# Altium PCB P-MT3620RDB-1-7.PcbDoc (part 2 of 4) (continued)
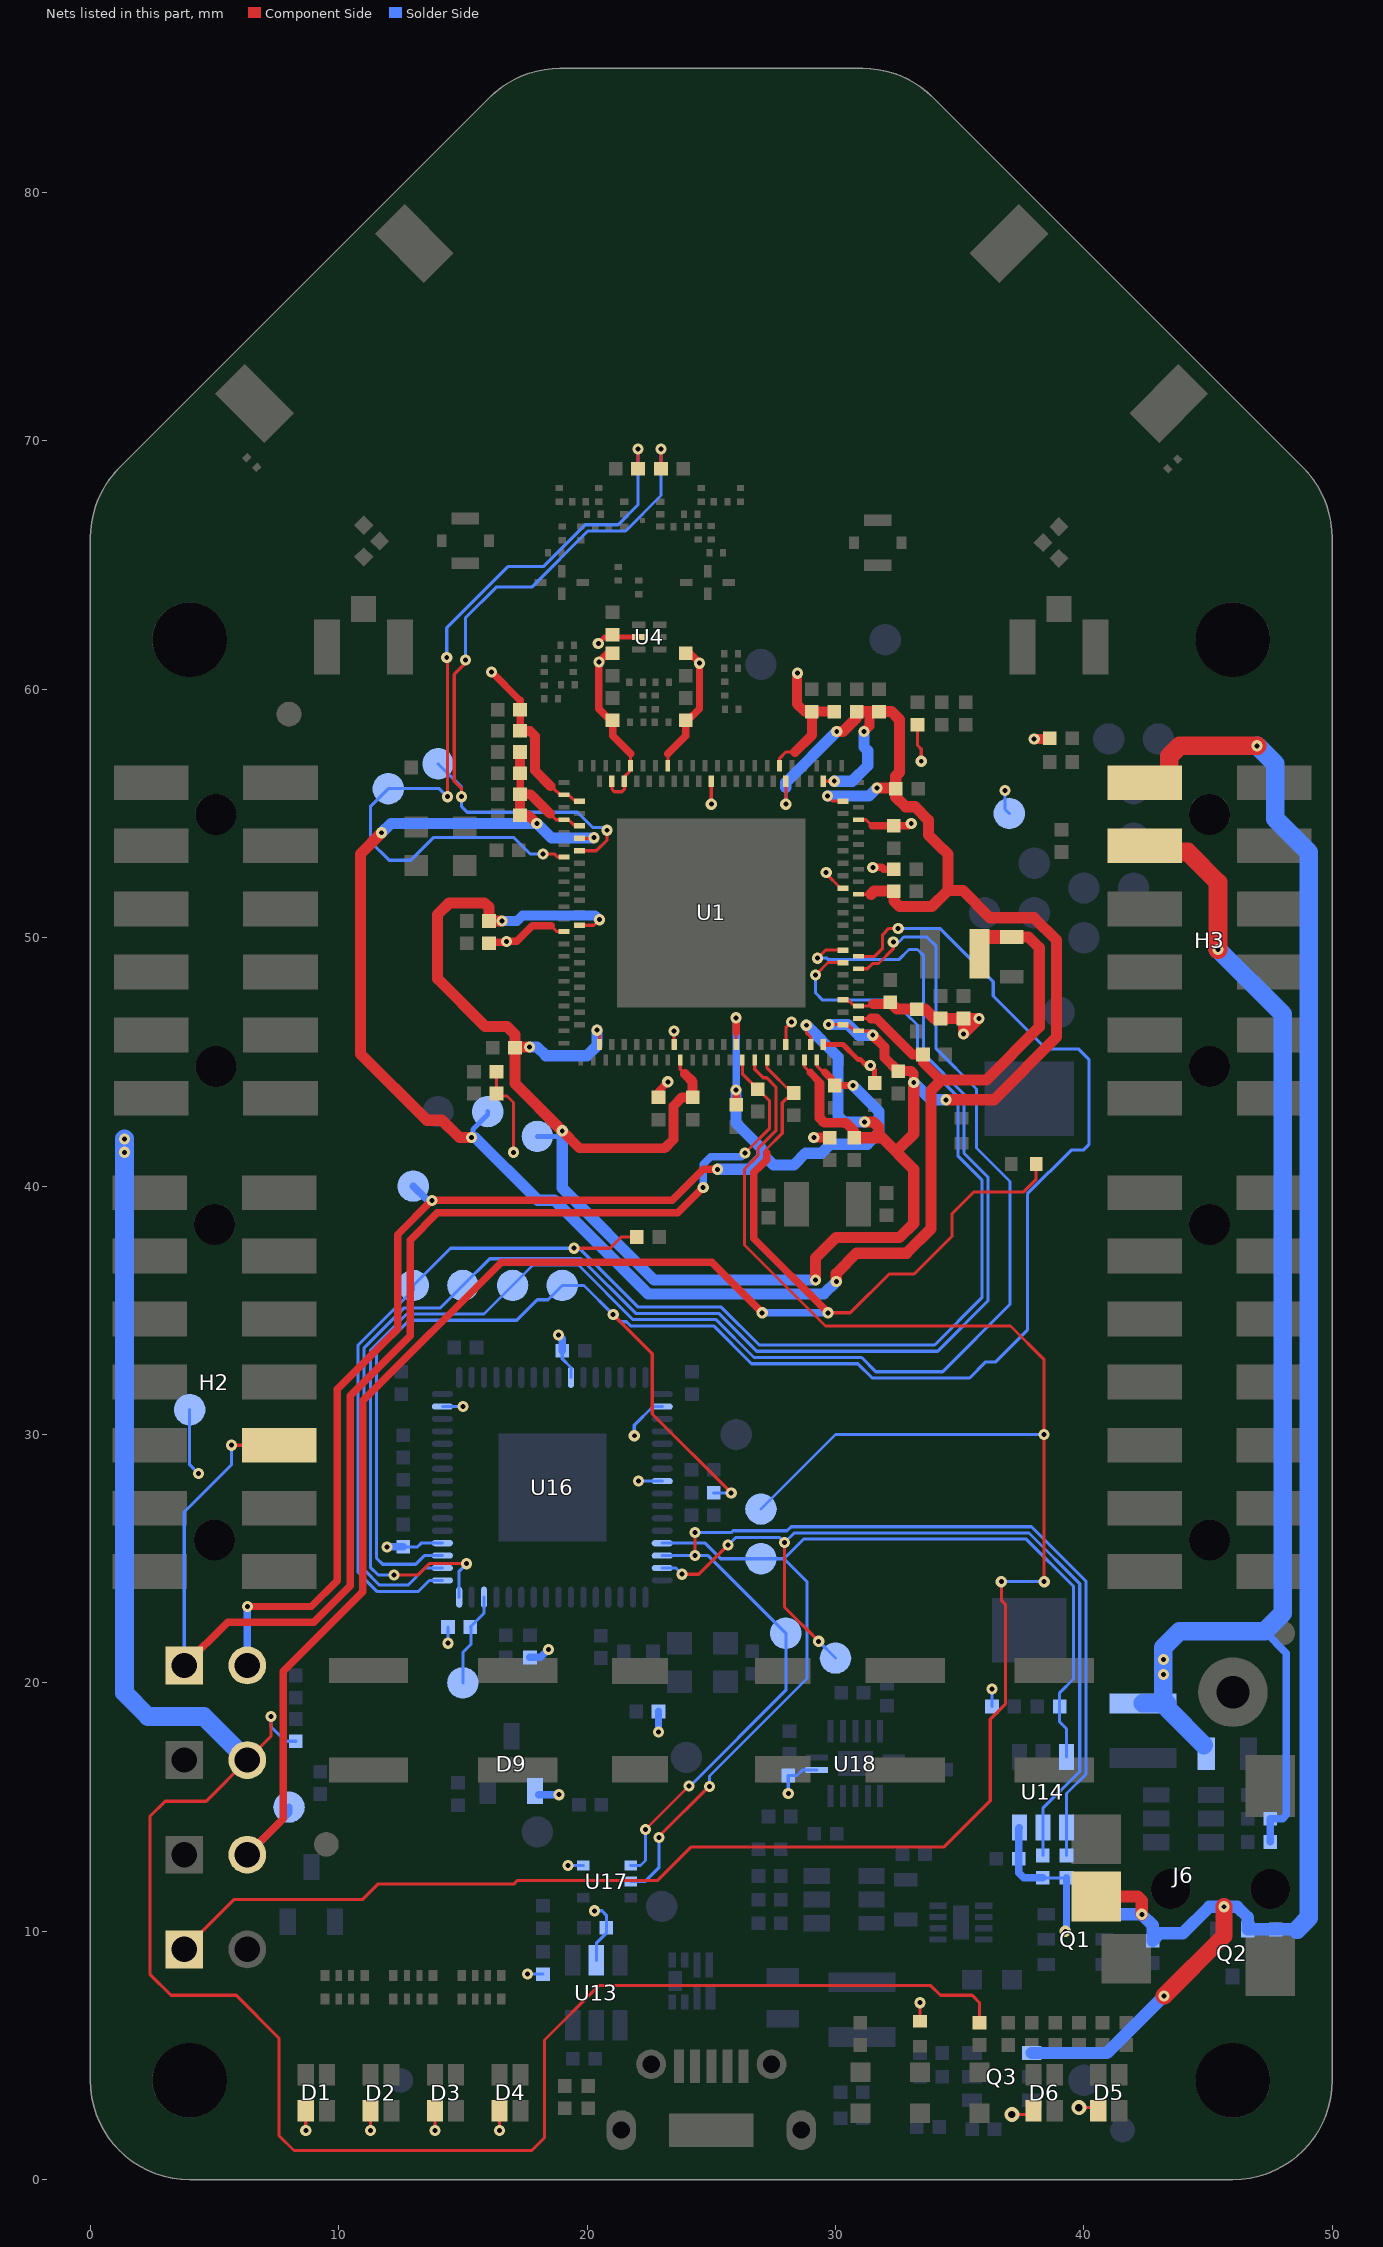
[diagram p4: the nets of this part, all layers, seen from the top]
## Part data (continued)
U9 U19: "Variable voltage buck converter", Case/Package=SOT-23-5, Manufacturer="Texas Instruments", Max Operating Temperature=125°C, Min Operating Temperature=-40°C, Supplier Part Number 1=296-47360-6-ND, Manufacturer Part Number=TLV62569DBVR, Pricing 1="1=1.32, 10=1.176, 100=0.9168, 500=0.75736, 1000=0.59792 (USD)", Stock 1=4987, Supplier 1=Digi-Key
U12: "IC FILTER COMMON MODE ESD 8WDFN", Current=100mA, DC Resistance (DCR)="8 Ohm", Inductance=-, Manufacturer="ON Semiconductor", Operating Temperature="-40°C ~ 85°C", Package / Case="8-WFDFN Exposed Pad", Standard Package=1, Supplier Part Number 1=EMI2121MTTAGOSCT-ND, Category=Filters, ComponentLink1Description=https://datasheet.ciiva.com/3067/emi2121mt-d-3067884.pdf, ComponentLink1URL=https://datasheet.ciiva.com/3067/emi2121mt-d-3067884.pdf, ComponentLink2Description=https://datasheet.ciiva.com/12394/emi2121mt-d-72518-12394918.pdf, ComponentLink2URL=https://datasheet.ciiva.com/12394/emi2121mt-d-72518-12394918.pdf, ComponentLink3Description=https://datasheet.ciiva.com/6214/emi2121mt-d-6214625.pdf, ComponentLink3URL=https://datasheet.ciiva.com/6214/emi2121mt-d-6214625.pdf, ComponentLink4Description=https://datasheet.ciiva.com/16437/emi2121mt-d-16437709.pdf, ComponentLink4URL=https://datasheet.ciiva.com/16437/emi2121mt-d-16437709.pdf, ComponentLink5Description=https://datasheet.ciiva.com/6214/emi2121mt-d-6214622.pdf, ComponentLink5URL=https://datasheet.ciiva.com/6214/emi2121mt-d-6214622.pdf, ComponentLink6Description=https://datasheet.ciiva.com/6214/emi2121mt-d-6214619.pdf, ComponentLink6URL=https://datasheet.ciiva.com/6214/emi2121mt-d-6214619.pdf, ComponentLink7Description=https://datasheet.ciiva.com/15162/getdatasheetpartid-686641-15162525.pdf, ComponentLink7URL=https://datasheet.ciiva.com/15162/getdatasheetpartid-686641-15162525.pdf, Family="Common Mode Chokes", Filter Type="Data, Signal Line", Height (Max)="0.031\" (0.80mm)", Impedance=-, Manufacturer Part Number=EMI2121MTTAG, Mounting Type="Surface Mount", Number of Lines=2, Online Catalog=EMI, Other Names=EMI2121MTTAGOSDKR, Packaging=Digi-Reel®, PCN Assembly/Origin="DFN Pkg Filters 12/Jun/2013 Addition of FAB 10 Wafer Source 04/Nov/2013 Assembly Site Addition 06/Mar/2014", Pricing 1="1=0.85, 10=0.76, 100=0.5923, 500=0.4893, 1000=0.3863 (USD)", Series=-, Size / Dimension="0.087\" L x 0.079\" W (2.20mm x 2.00mm)", Stock 1=2368, Supplier 1=Digikey
U13: "LINEAR TECHNOLOGY - LTC6993CS6-2#TRMPBF - GENERATOR, PULSE, TIMERBLOX, 6SOT-23", Digital IC Case=TSOT-23, Frequency=-, Manufacturer="LINEAR TECHNOLOGY", Operating Mode=Monostable, Operating Temperature Max=70, Operating Temperature Min=0, Operating Temperature Range="0°C to +70", Resonator Case=SMD, Supplier Part Number 1=1848054, Supply Voltage Max=5.5, Supply Voltage Min=2.25, Supply Voltage Range="2.25V to 5.5V<!--FANDB--><div class=\"features-and-benefits-container\"><div class=\"features-and-benefits-description\"><span class=\"features-benefits-value\">The LTC6993CS6-2#TRMPBF is a Monostable Pulse Generator (one shot) with a programmable pulse width of 1?s to 33.6 seconds. The LTC6993 is part of the TimerBlox&reg", Clock External Input=No, ComponentLink1Description=http://www.farnell.com/datasheets/1441932.pdf, ComponentLink1URL=http://www.farnell.com/datasheets/1441932.pdf, ComponentLink2Description=http://www.farnell.com/simulation/1753930.zip, ComponentLink2URL=http://www.farnell.com/simulation/1753930.zip, ComponentLink3Description=http://www.farnell.com/datasheets/1999324.pdf, ComponentLink3URL=http://www.farnell.com/datasheets/1999324.pdf, ComponentLink4Description=http://www.farnell.com/cad/1542631.zip, ComponentLink4URL=http://www.farnell.com/cad/1542631.zip, Manufacturer Part Number=LTC6993CS6-2#TRMPBF, MSL="MSL 1 - Unlimited", No. of Pins=6, No. of Timers=1, Packaging="Cut Tape", Pricing 1="1=2.64, 25=2.02, 100=1.18 (GBP)", Product Range=-, RoHS=YES, Stock 1=1214, Supplier 1=Farnell, SVHC="No SVHC (17-Dec-2015)"
U14: "IC EEPROM 2KBIT 2MHZ SOT23-6", Manufacturer="Microchip Technology", Operating Temperature="-40°C ~ 85°C (TA)", Package / Case=SOT-23-6, Supplier Part Number 1=93LC56BT-I/OTCT-ND, Voltage - Supply="2.5 V ~ 5.5 V", Category="Integrated Circuits (ICs)", ComponentLink1Description=http://www.microchip.com/mymicrochip/filehandler.aspx?ddocname=en013939, ComponentLink1URL=http://www.microchip.com/mymicrochip/filehandler.aspx?ddocname=en013939, Format - Memory="EEPROMs - Serial", Interface="Microwire, 3-Wire Serial", Manufacturer Part Number=93LC56BT-I/OT, Memory Size="2K (128 x 16)", Memory Type=EEPROM, Packaging="Cut Tape (CT)", Part Status=Active, Pricing 1="1=0.17, 25=0.164, 100=0.1612 (GBP)", RoHS="RoHS Compliant", Speed=2MHz, Stock 1=13464, Supplier 1=Digi-Key, Supplier Device Package=SOT-23-6
U16: "IC USB HS QUAD UART/SYNC 64-QFN", Current - Supply=70mA, Manufacturer="FTDI, Future Technology Devices International Ltd", Manufacturer Part Number=FT4232HQ-REEL, Operating Temperature="-40°C ~ 85°C", Package / Case="64-VFQFN Exposed Pad", Supplier Device Package="64-QFN (9x9)", Supplier Part Number 1=768-1027-1-ND, Voltage - Supply="3 V ~ 3.6 V", Category="Integrated Circuits (ICs)", ComponentLink1Description=http://www.ftdichip.com/Support/Documents/DataSheets/ICs/DS_FT4232H.pdf, ComponentLink1URL=http://www.ftdichip.com/Support/Documents/DataSheets/ICs/DS_FT4232H.pdf, Function="Bridge, USB to UART", Interface=UART, Packaging="Cut Tape (CT)", Pricing 1="1=5.99, 10=5.785, 50=5.5452, 100=4.6827, 250=4.1692, 500=3.79954 (GBP)", Protocol=USB, RoHS="RoHS Compliant", Standards="USB 2.0", Stock 1=18296, Supplier 1=Digi-Key
U17: "IC GATE AND 1CH 2-INP SC-70-5", Current - Output High, Low="32mA, 32mA", Current - Quiescent (Max)=2µA, Manufacturer="Fairchild Semiconductor", Operating Temperature="-40°C ~ 85°C", Package / Case="5-TSSOP, SC-70-5, SOT-353", Supplier Device Package=SC-70-5, Supplier Part Number 1=NC7SZ08P5XCT-ND, Voltage - Supply="1.65 V ~ 5.5 V", Category="Integrated Circuits (ICs)", ComponentLink1Description=http://www.fairchildsemi.com/datasheets/NC/NC7SZ08.pdf, ComponentLink1URL=http://www.fairchildsemi.com/datasheets/NC/NC7SZ08.pdf, Features=-, Logic Level - High=-, Logic Level - Low=-, Logic Type="AND Gate", Manufacturer Part Number=NC7SZ08P5X, Max Propagation Delay @ V, Max CL="4.5ns @ 5V, 50pF", Mounting Type="Surface Mount", Number of Circuits=1, Number of Inputs=2, Packaging="Cut Tape (CT)", Part Status=Active, Pricing 1="1=0.26, 10=0.216, 100=0.1144, 500=0.07526, 1000=0.05127 (GBP)", RoHS="RoHS Compliant", Stock 1=29087, Supplier 1=Digi-Key
U18: "IC BUFFER QUAD LV N-INV 14DQFN", High Level Output Current=-24mA, Low Level Output Current=24mA, Manufacturer="Fairchild Semiconductor", Max Operating Temperature=85°C, Max Supply Voltage=3.6V, Min Operating Temperature=-40°C, Min Supply Voltage=2V, Package Quantity=3000, Quiescent Current=10uA, Supplier Part Number 1=74LCX126BQXDKR-ND, ComponentLink1Description=https://datasheet.ciiva.com/26861/74lcx126bqx-26861526.pdf, ComponentLink1URL=https://datasheet.ciiva.com/26861/74lcx126bqx-26861526.pdf, ComponentLink2Description=https://datasheet.ciiva.com/1837/74lcx126-1837158.pdf, ComponentLink2URL=https://datasheet.ciiva.com/1837/74lcx126-1837158.pdf, ComponentLink3Description=https://datasheet.ciiva.com/28425/74lcx126-28425643.pdf, ComponentLink3URL=https://datasheet.ciiva.com/28425/74lcx126-28425643.pdf, ComponentLink4Description=https://datasheet.ciiva.com/1837/74lcx126-1837156.pdf, ComponentLink4URL=https://datasheet.ciiva.com/1837/74lcx126-1837156.pdf, ComponentLink5Description=https://datasheet.ciiva.com/1837/74lcx126-1837157.pdf, ComponentLink5URL=https://datasheet.ciiva.com/1837/74lcx126-1837157.pdf, ComponentLink6Description=https://datasheet.ciiva.com/8306/74lcx126-8306053.pdf, ComponentLink6URL=https://datasheet.ciiva.com/8306/74lcx126-8306053.pdf, Contact Plating=Gold, Lead Free="Lead Free", Logic Function=Buffer,Inverting, Manufacturer Part Number=74LCX126BQX, Mount="Surface Mount", Number of Bits=4, Number of Bits per Element=1, Number of Channels=4, Number of elements=4, Number of Input Lines=4, Number of Inputs=4, Number of Output Lines=4, Number of Outputs=4, Number of Pins=14, Packaging="Tape and Reel", Polarity=Non-Inverting, Pricing 1="1=0.85, 10=0.744, 100=0.5702, 500=0.4507, 1000=0.3606 (USD)", Propagation Delay=7.8ns, Radiation Hardening=No, Stock 1=15117, Supplier 1=Digi-Key, Turn-On Delay Time=7.8ns, Weight=0.12g
X1: library part XTL581100-M118-0804, "26MHz crystal", Manufacturer=Siward, Do Not Substitute=true, Manufacturer Part Number=XTL581100-M118-0804, Supplier 1=Siward, Supplier Part Number 1=XTL581100-M118-0804
X2: library part 9HT10-32.768KDZF-T, "32.768kHz ±20ppm Crystal 12.5pF 70 kOhm -40°C ~ 85°C  Surface Mount 2-SMD", ESR (Equivalent Series Resistance)="70 kOhm", Frequency Tolerance=±20ppm, Load Capacitance=12.5pF, Manufacturer=TXC, Operating Mode=Fundamental, Operating Temperature="-40°C ~ 85°C", Package / Case=2-SMD, Standard Package=1, Supplier Part Number 1=887-1504-1-ND, Category="Crystals and Oscillators", ComponentLink1Description=https://datasheet.ciiva.com/26833/getdatasheetpartid-743086-26833338.pdf, ComponentLink1URL=https://datasheet.ciiva.com/26833/getdatasheetpartid-743086-26833338.pdf, ComponentLink2Description=https://datasheet.ciiva.com/856/9ht10-856048.pdf, ComponentLink2URL=https://datasheet.ciiva.com/856/9ht10-856048.pdf, ComponentLink3Description=https://datasheet.ciiva.com/856/9ht10-856047.pdf, ComponentLink3URL=https://datasheet.ciiva.com/856/9ht10-856047.pdf, ComponentLink4Description=https://datasheet.ciiva.com/856/9ht10-856046.pdf, ComponentLink4URL=https://datasheet.ciiva.com/856/9ht10-856046.pdf, Dynamic Catalog="9HT10 Series", Family=Crystals, Featured Product="9HT Series Quartz Crystals", Frequency=32.768kHz, Height="0.033\" (0.85mm)", Manufacturer Part Number=9HT10-32.768KDZF-T, Mounting Type="Surface Mount", Other Names=887-1504-1, Packaging="Cut Tape (CT)", Pricing 1="1=0.66, 10=0.55, 50=0.495, 100=0.44, 500=0.418, 1000=0.352 (USD)", Series=9HT10, Size / Dimension="0.126\" L x 0.059\" W (3.20mm x 1.50mm)", Stock 1=19910, Supplier 1=Digikey, Type="kHz Crystal (Tuning Fork)"
X3: library part "CRYSTAL 12MHz 18pF SMD", "CRYSTAL 12.000 MHZ 18PF SMD", Frequency Stability=±30ppm, Load Capacitance=18pF, Manufacturer="TXC CORPORATION", Manufacturer Part Number=8Z-12.000MAAJ-T, Operating Mode=Fundamental, Operating Temperature="-20°C ~ 70°C", Package / Case="4-SMD, No Lead (DFN, LCC)", Shunt capacitance="3.0pF max.", Supplier Part Number 1=887-1487-1-ND, Category="Crystals and Oscillators", ComponentLink1Description=http://www.txccrystal.com/images/pdf/8z.pdf, ComponentLink1URL=http://www.txccrystal.com/images/pdf/8z.pdf, ESR="100R max", Frequency=12MHz, Frequency Tolerance=±30ppm, Height="0.022\" (0.55mm)", Mounting Type="Surface Mount", Packaging="Cut Tape (CT)", Pricing 1="1=1.55, 10=1.347, 50=1.1812, 100=0.9326, 500=0.78752, 1000=0.62172 (GBP)", RoHS="RoHS Compliant", Size / Dimension="0.098\" L x 0.079\" W (2.50mm x 2.00mm)", Stock 1=5365, Supplier 1=Digi-Key, Type="MHz Crystal"

## Free pads (board coordinates)
  round 3 hole 3 unplated: 0(4,4) 0(4,62) 0(46,4) 0(46,62)
  round 1 smd paste-1 mask+0.5: 1(8,59) 1(9.5,13.5) 1(48,22)
  round 1 smd far side paste-1 mask+0.5: 1(8,59) 1(12.5,4) 1(41.557,2)

## Via types
v1: diameter 0.45, hole 0.2, Component Side to Solder Side, tented both sides, 816 vias
v2: diameter 0.6, hole 0.3, Component Side to Solder Side, tented both sides, 2 vias

## Nets (pads, with @x,y where several pads share a name; then routed paths per layer and width w, separated by ;. In a path a pad name is that pad's centre, name@x,y a point inside that pad or via, vN(x,y) a via of type N, cw(c..) or ccw(c..) an arc to the next point about the centre after c; other vN are vias at no path point)
1V6: 17.1 C38.2 C39.2 C74.2 C75.2 C76.2 C77.2 L10.2 U1.6 U1.7 U1.9 U1.86 | length 74.8
  Component Side w0.125: 18.5,55 18.75,54.75 U1.6@19.075,54.75 ; U1.6@19.25,54.75 U1.7@19.5,54.5 ; U1.9@19.7,54 v1@20.275,54 ; U1.86@30.925,46.75 31.425,46.75
  Component Side w0.3: C77.2@17.3,55.925 C74.2@17.3,56.6
  Component Side w0.4: C76.2@17.3,54.925 17.65,54.925 v1(17.975,54.6) ; C76.2@17.3,55.025 C77.2@17.3,55.775 ; C77.2@17.3,55.925 C77.2@17.3,55.775 ; C74.2@17.3,56.6 C74.2@17.3,56.625 C75.2@17.3,57.3 ; 18.5,55 17.725,55.775 C77.2@17.3,55.775 ; 31.425,46.75 31.65,46.75 ; 31.65,46.75 33.1,45.3 C39.2@33.525,45.3 33.525,44.975 34.15,44.35
  Component Side w0.45: v1(11.725,54.225) 10.875,53.375 10.875,45.325 13.55,42.65 14.163,42.65 14.861,41.952 v1(15.351,41.952) ; v1(30.032,36.157) 30.032,36.482 30.85,37.3 32.867,37.3 33.85,38.283 33.85,43.85 34.275,44.275 36.075,44.275 38.2,46.4 38.2,49.6 37.775,50.025 C38.2@37.1,50.025
  Component Side w0.55: L10.2@36.075,50.025 C38.2@37.1,50.025
  Solder Side w0.2: v1(15.351,41.952) 15.359,41.961 15.399,42 15.399,42.279 16,42.881 17.1@16,43
  Solder Side w0.45: v1(11.725,54.225) 12.1,54.6 v1(17.975,54.6) 18.562,54.013 v1@20.188,54.013 ; v1@15.351,41.961 15.359,41.961 15.486,41.961 18.017,39.43 18.682,39.43 22.462,35.65 29.525,35.65 v1(30.032,36.157)
  other v1: 20.275,54.025
1V15: 16.1 C55.2 C62.2 C63.2 C64.2 C65.2 C67.2 C68.2 C69.2 C70.2 U1.23 U1.44 U1.57 U1.77 U1.78 U1.84 U1.85 U1.106 U1.121 U1.126 U1.132 | length 124.6
  Component Side w0.125: U1.23@19.7,50.5 20.275,50.5 v1(20.5,50.725) ; v1(20.4,46.275) 20.5,46.175 U1.44@20.5,45.7 U1.44@20.5,45.8 ; U1.57@23.75,45.075 23.75,44.7 23.938,44.513 ; v1(28,55.375) U1.132@28,56.3 ; U1.77@28.75,45.075 28.75,44.8 28.975,44.575 ; v1(28.825,46.475) 28.825,46.175 29,46 U1.78@29,45.7 ; U1.126@29.5,56.3 v1(29.95,56.3) ; v1(29.675,55.7) 29.875,55.5 U1.121@30.3,55.5 ; v1@29.9,46.5 30.5,46.5 30.75,46.25 31.325,46.25 v1(31.5,46.075) ; U1.106@30.925,51.75 31.425,51.75
  Component Side w0.3: 28.975,44.575 29.35,44.2 29.35,44.125 ; v1(31.5,46.075) v1@31.575,46.075
  Component Side w0.4: v1(19,42.225) 19.7,41.525 23.125,41.525 23.475,41.875 23.475,43.225 23.825,43.575 C64.2@24.25,43.575 24.25,44.2 23.938,44.512 ; 29.35,44.125 29.35,42.75 29.55,42.55 30.425,42.55 30.75,42.225 C65.2@30.75,41.95 ; v1(31.15,58.3) 31.375,58.525 31.375,58.925 ; v1(31.5,46.075) 31.975,45.6 31.975,45.175 C55.2@32.525,44.625 33.05,44.625 33.15,44.525 v1(33.15,44.175)
  Component Side w0.45: v1(16.575,50.675) C62.2@16.05,50.675 16.05,51.225 15.875,51.4 14.45,51.4 13.975,50.925 13.975,48.35 15.9,46.425 16.775,46.425 17.1,46.1 C63.2@17.1,45.6 ; C63.2@17.075,45.6 C63.2@17.1,45.6 ; v1(17.675,45.6) C63.2@17.1,45.6 ; v1(19,42.225) 17.1,44.125 C63.2@17.1,45.575 C63.2@17.1,45.6 ; v1(29.2,36.225) 29.2,37.1 30.025,37.925 32.575,37.925 33.15,38.5 33.15,40.675 31.875,41.95 31.725,41.95 ; v1(30.05,58.3) 30.3,58.3 30.85,58.85 C70.2@30.85,59.1 C69.2@31.75,59.1 32.25,59.1 32.575,58.775 32.575,56.65 32.425,56.5 C68.2@32.425,56 32.425,55.667 32.817,55.275 33.2,55.275 33.75,54.725 33.75,54.137 34.337,53.55 34.35,53.55 34.525,53.375 34.525,51.9 ; C65.2@30.75,41.95 31.725,41.95 ; v1(31.175,42.575) 31.525,42.575 31.725,42.375 31.725,41.95 ; 31.425,51.75 31.55,51.875 C67.2@32.35,51.875 32.35,51.475 32.575,51.25 33.875,51.25 34.525,51.9 ; v1(31.675,56.025) C68.2@32.2,56.025 ; 32.5,41.45 33.15,42.1 v1(33.15,44.175) ; v1(34.45,43.475) 36.375,43.475 38.9,46 38.9,49.9 38,50.8 36.225,50.8 35.125,51.9 34.525,51.9
  Solder Side w0.125: v1(28,55.375) 28,56.05
  Solder Side w0.2: 16.1@18,42 18.95,42
  Solder Side w0.4: v1(16.575,50.675) 17.175,50.675 17.4,50.9 20.325,50.9 v1(20.5,50.725)
  Solder Side w0.45: v1(17.675,45.6) 17.987,45.6 18.337,45.25 20,45.25 20.4,45.65 v1(20.4,46.275) ; 18.95,42 v1@19,42.05 ; v1(19,42.225) v1@19,42.05 ; 28,56.05 28,56.25 v1(30.05,58.3) ; v1(28.825,46.475) 30.1,45.2 30.1,42.825 30.35,42.575 v1@31.15,42.575 ; v1@29.2,36.225 22.7,36.225 19,39.925 v1@19,42.05 ; v1(29.675,55.7) 31.35,55.7 v1(31.675,56.025) ; v1(29.725,46.5) 30.5,46.5 30.925,46.075 v1(31.5,46.075) ; v1(29.95,56.3) 30.675,56.3 31.3,56.925 31.3,57.525 31.15,57.675 v1(31.15,58.3) ; v1(33.15,44.175) 33.85,43.475 v1(34.45,43.475)
2V5: 18.1 C40.2 C84.2 J1.2 U1.66 U1.79 | length 55.9
  Component Side w0.125: U1.66@26,45.7 26,46.2 ; U1.79@29.25,45.075 29.25,44.85 29.512,44.588 29.563,44.588
  Component Side w0.3: v1(6.325,23.075) 8.9,23.075 9.94,24.115 9.94,31.825 12.375,34.26 12.375,38.05 v1(13.75,39.425) 23.425,39.425 24.675,40.675 v1(25.25,40.675) ; C84.2@26,43.275 v1(26,43.875) ; 26,46.2 v1(26,46.775) ; 29.563,44.588 30.1,44.051 C40.2@30.1,44.125 ; C40.2@29.975,44.05 30.1,44.05 v1(30.7,44.05)
  Solder Side w0.125: J1.2@6.321,20.704 J1.2@6.325,20.709
  Solder Side w0.3: J1.2@6.325,20.709 v1(6.325,23.075) ; 18.1@13,40 13.575,39.425 v1(13.75,39.425) ; v1(26,43.875) v1(26,46.775)
  Solder Side w0.45: v1(25.25,40.675) 26.525,40.675 27.025,41.175 ; v1(26,43.875) 26,42.541 27.025,41.516 27.025,41.175 ; v1(30.7,44.05) 31.75,43 31.75,42.15 31.288,41.688 29.8,41.688 29.438,41.325 28.8,41.325 28.325,40.85 27.512,40.85 27.187,41.175 27.025,41.175
3V3_AO: 41.1 C4.2 C28.2 C33.2 C45.2 C46.2 C48.2 C86.2 D1.4 D2.4 D3.4 D4.4 D5.4 D6.4 D9.1 H3.3 L3.2 L11.2 L12.2 R12.1 R27.1 R28.1 R29.1 R31.1 R33.1 R53.1 R54.1 R64.1 U13.5 U14.6 U16.20 U16.31 U16.42 U16.50 U16.56 U17.5 U18.14 | length 89.7
  Component Side w0.125: v1(8.675,1.975) D1.4@8.675,2.775 ; v1(11.275,1.975) D2.4@11.275,2.775 ; v1(13.875,1.975) D3.4@13.875,2.775 ; R54.1@16.35,44.575 R53.1@16.35,43.725 16.35,43.625 16.775,43.625 17.036,43.364 v1(17.036,41.361) ; v1(16.475,1.975) D4.4@16.475,2.775 ; R64.1@33.4,6.375 v1(33.4,7.125) ; v2(37.1,2.625) 37.825,2.625 D6.4@37.975,2.775 ; v2(39.8,2.9) 40.45,2.9 D5.4@40.575,2.775
  Component Side w0.6: H3.3@42.457,53.699 H3.3@42.857,53.299
  Component Side w0.75: H3.3@43.252,53.45 44.175,53.45 45.4,52.225 v1(45.4,49.525)
  Solder Side w0.125: 41.1@4,31 4,28.78 v1(4.35,28.43) ; C45.2@12.6,25.475 13.175,25.475 13.325,25.625 U16.20@14.175,25.625 ; U16.31@14.175,31.125 v1(15,31.125) ; v1(14.4,21.6) R31.1@14.4,22.25 ; v1(17.6,8.275) R12.1@18.225,8.275 ; C46.2@19,33.375 19,33.05 19.35,32.7 U16.42@19.35,32.3 ; v1(19.225,12.65) U17.5@19.85,12.65 ; v1@20.301,10.676 v1(20.301,10.826) 20.599,10.826 20.775,10.65 C48.2@20.775,10.15 20.775,9.925 20.375,9.525 U13.5@20.375,8.835 ; v1(21.9,29.95) 21.9,30.375 22.65,31.125 U16.50@23.025,31.125 ; v1(22.075,28.125) U16.56@23.025,28.125 ; v1(28.1,15.55) C86.2@28.1,16.275 28.45,16.275 28.675,16.5 U18.14@29.25,16.5 ; R27.1@36.3,19.05 v1(36.3,19.75) ; R28.1@38.35,12.15 R29.1@39.3,12.15
  Solder Side w0.3: v1(11.95,25.475) C45.2@12.6,25.475 ; L12.2@17.7,21.025 18.125,21.025 v1(18.45,21.35) ; D9.1@18.05,15.5 v1(18.875,15.5) ; v1(18.85,34) 19,33.85 C46.2@19,33.375 ; v1(22.875,18.025) L11.2@22.875,18.85 ; U14.6@37.4,14.175 37.375,14.15 C33.2@37.375,12.925 37.375,12.35 37.575,12.15 R28.1@38.35,12.15 ; v1(39.25,10) 39.3,10.05 R29.1@39.3,12.15 ; 47.275,22.075 48.15,21.2 48.15,14.687 48,14.537 R33.1@47.5,14.537 C4.2@47.5,13.596
  Solder Side w0.5: L3.2@43.325,19.175 43.475,19.025 L3.2@43.475,18.9
  Solder Side w0.75: L3.2@42.375,19.175 43.325,19.175 43.35,19.15 43.35,18.975 C28.2@44.825,17.5 ; L3.2@43.2,19.575 43.2,21.425 43.85,22.075 47.275,22.075 48,22.8 48,46.925 v1(45.4,49.525)
  other v1: 43.2,20.336 43.2,20.944
3V3_MT: 19.1 C14.2 C49.2 C50.2 C52.2 C53.2 C56.2 C57.2 C58.2 C59.2 C60.2 C61.2 C71.2 C78.2 C79.2 C80.2 C81.2 C82.2 C83.2 C90.2 J2.2 R6.1 R8.1 R20.1 R22.1 U1.2 U1.3 U1.24 U1.56 U1.74 U1.80 U1.88 U1.89 U1.107 U1.118 U1.133 U1.144 U1.151 U1.157 U1.158 U1.160 U4.2 | length 139.7
  Component Side w0.125: v1(7.275,18.65) 7.275,17.849 J2.2@6.321,16.894 4.664,15.237 3.012,15.237 2.4,14.625 2.4,8.275 3.25,7.425 5.875,7.425 7.6,5.7 7.6,1.775 8.2,1.175 17.775,1.175 18.287,1.687 18.287,5.624 20.475,7.813 33.838,7.813 34.225,7.425 35.5,7.425 35.8,7.125 R6.1@35.8,6.325 ; 18.55,50.475 18.775,50.25 U1.24@19.075,50.25 ; 18.662,56.003 18.915,55.75 U1.2@19.075,55.75 19.25,55.75 19.5,55.5 U1.3@19.7,55.5 ; U1.160@21,56.3 21,55.975 21.1,55.875 21.4,55.875 21.5,55.975 21.5,56.475 U1.157@21.75,56.725 ; U1.157@21.75,56.925 21.75,57.4 ; U1.151@23.25,56.925 23.25,57.4 ; U1.56@23.5,45.7 v1(23.5,46.25) ; v1(25,55.375) U1.144@25,56.3 ; U1.133@27.75,56.925 27.75,57.225 28,57.475 28.375,57.475 ; U1.74@28,45.7 28,46.375 v1(28.225,46.6) ; v1(29.625,52.625) 29.625,52.575 30.2,52 U1.107@30.3,52 ; U1.89@30.3,47.5 30.5,47.5 30.75,47.25 31.425,47.25 31.512,47.337 ; U1.118@30.925,54.75 31.225,54.75 31.475,54.5 ; R20.1@33.3,58.575 33.3,57.742 33.452,57.59 v1(33.452,57.103)
  Component Side w0.2: v1(20.45,61.85) 20.7,62.1 U4.2@22.075,62.1 ; U1.80@29.5,45.7 30.3,45.7 30.9,45.1 31,45.1 31.25,44.85 v1(31.4,44.85) 31.575,44.675 C53.2@31.575,44.234
  Component Side w0.3: C58.2@16.05,49.825 16.725,49.825 v1(16.75,49.85) 17.164,49.85 17.789,50.475 18.55,50.475 ; v1(16.15,60.7) 17.3,59.55 C82.2@17.3,59.175 ; C83.2@17.3,58.325 17.3,58.675 ; 17.3,58.7 C82.2@17.3,59.125 ; C78.2@20.936,58.75 20.475,59.211 v1(20.475,61.1) 20.85,61.475 C79.2@21,61.475 ; C78.2@21.025,58.75 21.025,58.125 21.75,57.4 ; C59.2@22.875,43.575 22.875,43.825 v1(23.25,44.2) ; 23.25,57.4 23.975,58.125 C80.2@23.975,58.75 ; C80.2@24.053,58.75 24.525,59.222 24.525,60.939 v1@24.507,60.957 ; C81.2@24.138,61.462 v1@24.5,61.1 ; 31.475,54.5 C61.2@32.35,54.5 32.95,54.5 v1(33.05,54.6) ; v1(31.502,52.828) 31.872,52.828 31.95,52.75 C60.2@32.35,52.75
  Component Side w0.356: C80.2@23.975,58.75 C80.2@24.053,58.75
  Component Side w0.4: C83.2@17.3,58.325 17.7,58.325 17.9,58.125 17.9,56.725 18.525,56.1 ; 28.375,57.475 29.05,58.15 C57.2@29.05,59.1 ; v1@28.45,60.647 28.45,59.4 28.75,59.1 C57.2@29.05,59.1 ; v1(29.126,41.952) 29.773,41.952 C71.2@29.775,41.95 ; C56.2@29.9,59.1 C57.2@29.05,59.1 ; 31.512,47.337 C90.2@32.175,47.337 ; v1(38,58) 38.6,58 R22.1@38.625,58.025
  Component Side w0.45: C90.2@32.2,47.4 32.475,47.125 C52.2@33.275,47.125 33.6,47.125 33.975,46.75 C50.2@34.225,46.75 C49.2@35.15,46.75 ; C49.2@35.15,46.75 v1(35.15,46.125) v1(35.775,46.75) C49.2@35.15,46.75
  Solder Side w0.125: v1(7.275,18.65) 7.275,18.233 7.858,17.65 R8.1@8.275,17.65 ; v1(36.825,55.925) 36.825,55.175 19.1@37,55
  Solder Side w0.75: v1(1.375,41.9) 1.375,19.6 2.325,18.65 4.565,18.65 J2.2@6.321,16.894
  other v1: 1.379,41.36 28.475,60.647 24.525,61.05
3V3_RTC: 24.1 C72.2 J3.2 R43.2 U1.71 | length 68.9
  Component Side w0.125: 27.225,41.35 27.225,41.494 27.856,42.125 27.856,43.356 28.25,43.75 27.25,44.75 U1.71@27.25,45.075 ; v1(29.701,34.9) 30.598,34.9 32.16,36.461 33.167,36.461 34.697,37.991 34.697,38.898 35.557,39.758 37.558,39.758 38.075,40.275 R43.2@38.075,40.891
  Component Side w0.3: J3.2@6.321,13.084 7.775,14.539 7.775,20.475 10.964,23.664 10.964,31.351 16.553,36.94 25.01,36.94 v1(27.05,34.9) ; 27.225,41.35 27.225,41.058 26.994,40.827 26.7,40.533 26.7,37.901 v1(29.701,34.9)
  Solder Side w0.3: J3.2@6.321,13.084 8,14.764 24.1@8,15 ; v1(27.05,34.9) v1(29.701,34.9)
5V: C24.2 H3.1 J6.1 Q1.4 Q2.2 Q3.4 R60.1 | length 76.8
  Component Side w0.5: J6.1@40.5,11.4 42.168,11.4 42.33,11.238 v1(42.33,10.685)
  Component Side w0.7: v1(43.227,7.4) 45.639,9.812 v1(45.639,10.988)
  Component Side w0.75: H3.1@43.434,56.1 43.434,57.307 43.852,57.725 v1(46.975,57.725)
  Solder Side w0.5: Q3.4@37.9,5.1 40.927,5.1 v1(43.227,7.4) ; Q1.4@40.813,10.685 v1(42.33,10.685) 42.775,10.24 C24.2@42.775,9.625 43.075,9.925 43.986,9.925 45.049,10.988 v1(45.639,10.988) 46.172,10.988 46.595,10.565 Q2.2@46.595,10.075 R60.1@47.725,10.075 R60.1@47.75,10.1 ; R60.1@47.75,10.075 48.585,10.075
  Solder Side w0.75: v1(46.975,57.725) 47.7,57 47.7,54.793 49.05,53.443 49.05,10.54 48.585,10.075
ADC_VREF: C85.2 H2.10 J1.1 U1.67 | length 54.4
  Component Side w0.125: v1(5.691,29.569) H2.10@7.6,29.569 ; U1.67@26.25,45.075 26.25,44.525 C85.2@26.875,43.9 27.35,43.425 27.35,42.326 v1@26.476,41.452
  Component Side w0.3: J1.1@3.781,20.704 5.526,22.45 9,22.45 10.46,23.91 10.46,31.56 12.875,33.975 12.875,37.825 13.975,38.925 23.65,38.925 v1(24.675,39.95)
  Solder Side w0.125: J1.1@3.781,20.704 3.781,26.881 5.691,28.791 v1(5.691,29.569)
  Solder Side w0.3: v1(24.675,39.95) 24.675,40.875 24.975,41.175 26.199,41.175 v1(26.351,41.327) v1@26.376,41.352
ANTSEL0: 11.1 R39.1 U1.11 | length 30.1
  Component Side w0.125: v1(14.95,55.675) 14.95,56 14.65,56.3 14.65,60.6 15.1,61.05 v1(15.1,61.175) ; U1.11@19.7,53.5 20.375,53.5 20.8,53.925 v1(20.8,54.325) ; R39.1@22.975,68.875 v1(22.975,69.675)
  Solder Side w0.125: 11.1@14,57 14.95,56.05 v1(14.95,55.675) 14.95,55.275 15.175,55.05 16.625,55.05 19.615,55.05 20.228,54.438 20.687,54.438 v1(20.8,54.325) ; v1(15.1,61.175) 15.1,62.871 16.341,64.113 17.766,64.113 20.029,66.375 21.55,66.375 22.975,67.8 v1(22.975,69.675)
ANTSEL1: 10.1 R37.1 U1.12 | length 33.2
  Component Side w0.125: v1(14.375,55.675) v1@14.375,61.075 ; v1(18.225,53.375) 18.675,53.375 18.8,53.25 U1.12@19.075,53.25 ; R37.1@22.05,68.875 v1(22.05,69.675)
  Solder Side w0.125: v1(14.35,61.275) 14.35,62.475 16.813,64.938 18.238,64.938 19.925,66.625 21.25,66.625 22.05,67.425 v1(22.05,69.675) ; v1(14.375,55.675) 14.05,56 10.1@12,56 11.275,55.275 11.275,53.875 12.034,53.116 12.906,53.116 13.83,54.04 17.036,54.04 17.701,53.375 v1(18.225,53.375)
DEBUG_CTS: 15.1 U1.97 U16.18 | length 62.3
  Component Side w0.125: v1(29.275,49.175) 29.6,49.5 U1.97@30.3,49.5
  Solder Side w0.125: U16.18@14.175,24.625 13.475,24.625 12.787,23.937 11.641,23.937 11.025,24.554 11.025,33.488 12.637,35.1 14.1,35.1 15.1@15,36 16.075,37.075 19.755,37.075 21.955,34.875 22.325,34.875 25.3,34.875 26.825,33.35 34.111,33.35 36.142,35.381 36.142,40.358 35.175,41.325 35.175,43.704 33.55,45.329 33.55,49.275 33.3,49.525 32.961,49.525 32.551,49.115 29.71,49.115 29.65,49.175 v1(29.275,49.175)
DEBUG_RTS: 14.1 R35.1 U1.96 U16.19 | length 75.5
  Component Side w0.125: v1(21.05,34.825) 22.625,33.25 22.625,30.825 v1(25.8,27.65) ; U1.96@30.925,49.25 31.575,49.25 31.9,49.575 31.9,50.125 32.15,50.375 v1(32.525,50.375)
  Solder Side w0.125: U16.19@14.175,25.125 13.45,25.125 13.1,24.775 11.775,24.775 11.525,25.025 11.525,33.281 12.844,34.6 17.171,34.6 17.996,35.425 18.425,35.425 14.1@19,36 19.875,36 v1(21.05,34.825) 21.337,34.538 21.585,34.538 21.748,34.375 22.118,34.375 25.093,34.375 26.618,32.85 30.9,32.85 31.475,32.275 35.4,32.275 36.05,32.925 36.45,32.925 37.725,34.2 37.725,39.687 39.488,41.45 39.979,41.45 40.2,41.671 40.2,45.1 39.775,45.525 38.475,45.525 36.35,47.65 36.35,48.221 34.196,50.375 v1(32.525,50.375) ; R35.1@25.1,27.65 v1(25.8,27.65)
DEBUG_RXD: 12.1 U1.94 U16.16 | length 64.1
  Component Side w0.125: v1(12.225,24.35) 13.2,24.35 13.65,24.8 v1(15.15,24.8) ; U1.94@30.948,48.727 U1.94@30.925,48.75 31.281,48.75 31.494,48.963 31.732,48.963 32.327,49.557 v1(32.327,49.827)
  Solder Side w0.125: v1(12.225,24.35) 11.582,24.35 11.275,24.657 11.275,33.385 12.74,34.85 15.85,34.85 12.1@17,36 17.825,36.825 19.651,36.825 21.851,34.625 22.221,34.625 25.196,34.625 26.721,33.1 31.05,33.1 31.625,32.525 33.729,32.525 34.312,32.525 37.025,35.238 37.025,40.182 35.675,41.532 35.675,43.911 34.05,45.536 34.05,49.654 33.679,50.025 32.754,50.025 32.556,49.827 v1(32.327,49.827) ; U16.16@14.85,23.45 14.85,24.5 v1(15.15,24.8)
DEBUG_TXD: 13.1 R24.2 U1.95 U16.17 | length 63.7
  Component Side w0.125: v1(19.475,37.5) 20.925,37.5 21.375,37.95 R24.2@22,37.95 ; v1(29.2,48.5) 29.7,49 U1.95@30.3,49
  Solder Side w0.125: U16.17@14.175,24.125 13.65,24.125 13.212,23.687 11.538,23.687 10.775,24.45 10.775,33.592 13,35.817 13.1@13,36 14.5,37.5 v1(19.475,37.5) 19.683,37.5 22.058,35.125 25.403,35.125 26.928,33.6 33.99,33.6 35.892,35.502 35.892,40.25 34.925,41.218 34.925,43.6 33.3,45.225 33.3,46.483 32.821,46.963 32.296,47.488 29.487,47.488 29.2,47.775 v1(29.2,48.5)
EXT_PMU_EN: 2.1 J4.1 U1.69 | length 89.8
  Component Side w0.125: J4.1@3.781,9.274 5.781,11.275 10.948,11.275 11.573,11.9 17.049,11.9 17.199,12.05 22.846,12.05 24.196,13.4 34.375,13.4 36.23,15.255 36.23,18.537 36.837,19.145 36.837,23.163 36.675,23.325 v1(36.675,24.075) ; U1.69@26.75,45.075 26.75,44.7 27.087,44.363 27.228,44.363 27.6,43.99 27.6,42.222 26.875,41.497 26.875,41.225 26.338,40.688 26.338,37.627 29.598,34.366 37.046,34.366 38.4,33.012 v1(38.4,30) v1@38.4,24.075
  Solder Side w0.125: 2.1@27,27 30,30 v1(38.4,30) ; v1(36.675,24.075) v1(38.402,24.075)
FT_EECLK: 34.1 R29.2 U14.4 U16.62 U17.1 | length 47.6
  Component Side w0.125: v1(22.35,14.1) v1(24.1,15.85) ; v1(24.35,25.125) v1(24.35,26.05) v1@24.35,26.125
  Solder Side w0.125: U17.1@21.75,12.65 22.15,12.65 22.35,12.85 v1(22.35,14.1) ; U16.62@23.025,25.125 v1(24.35,25.125) 24.875,25.125 34.1@28,22 28,19.7 24.15,15.85 v1(24.1,15.85) ; v1(24.35,26.05) 25.8,26.05 25.875,26.125 28.05,26.125 28.213,26.288 37.891,26.288 40.082,24.096 40.082,16.329 39.3,15.546 U14.4@39.3,14.175 R29.2@39.3,13.05
FT_EECS: 33.1 R28.2 U14.5 U16.63 | length 35.6
  Component Side w0.125: v1(23.825,24.375) 24.5,24.375 25.6,25.475 v1@25.6,25.55 ; v1(27.95,25.65) 27.95,23.05 v1(29.325,21.675)
  Solder Side w0.125: U16.63@23.025,24.625 23.575,24.625 v1(23.825,24.375) ; v1(25.675,25.55) 25.975,25.85 27.75,25.85 v1(27.95,25.65) 28.338,26.038 37.787,26.038 39.832,23.993 39.832,16.432 38.35,14.95 U14.5@38.35,14.175 R28.2@38.35,13.05 ; v1(29.325,21.675) 33.1@30,21
FT_EEDATA: 35.1 R26.2 U14.3 U16.61 U17.2 | length 41.8
  Component Side w0.125: v1(22.9,13.775) 22.875,13.8 24.9,15.825 v1(24.925,15.825)
  Solder Side w0.125: U17.2@21.75,12 22.325,12 22.9,12.575 v1(22.9,13.775) ; U16.61@23.025,25.625 24.75,25.625 25.375,25 35.1@27,25 27.925,25 ; v1(24.925,15.825) 24.925,16.254 28.85,20.179 28.85,24.075 27.925,25 ; U14.3@39.3,17.025 39.3,18.15 39.025,18.425 R26.2@39.025,19.05 39.025,19.6 39.582,20.157 39.582,23.889 37.684,25.788 28.713,25.788 27.925,25
FT_RESET: 22.1 R31.2 U16.14 | length 3.8
  Solder Side w0.125: 22.1@15,20 15,21.225 15.325,21.55 15.325,22.225 R31.2@15.3,22.25 15.85,22.8 U16.14@15.85,23.45